# Altium PCB RTM_SFP.PcbDoc (part 9 of 17) (continued)
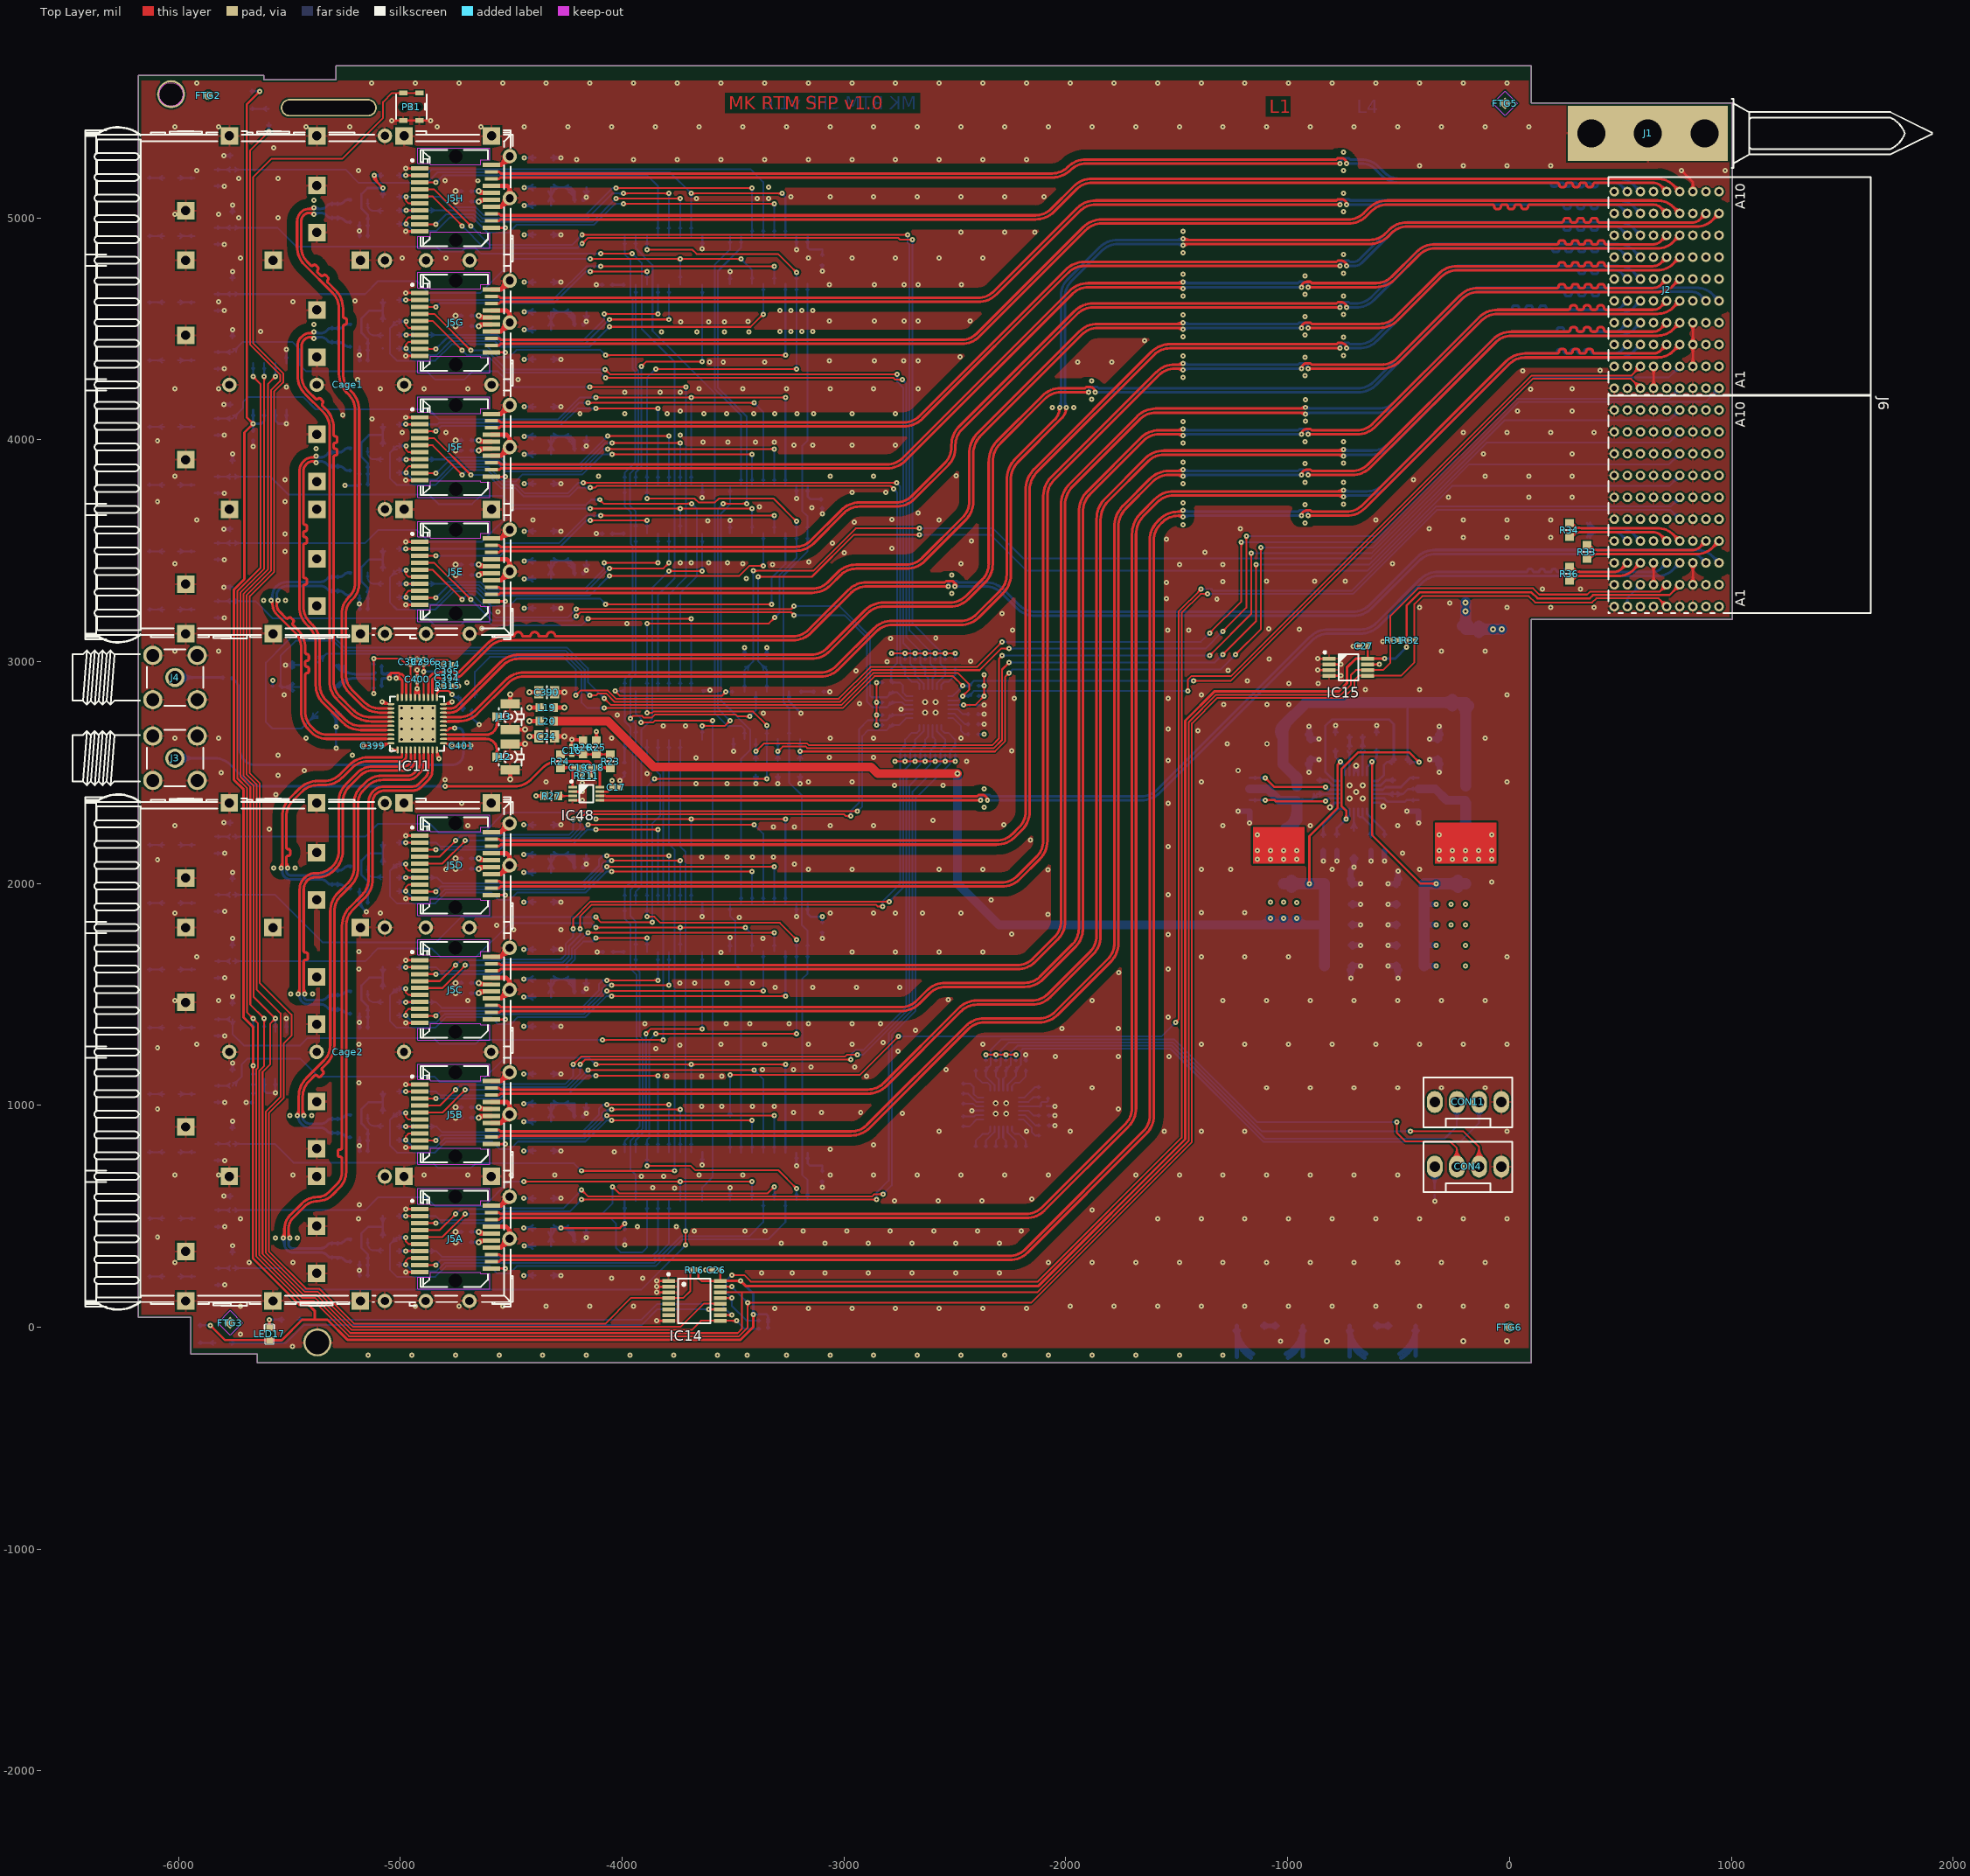
[diagram p0: Top Layer view]
## Nets (pads, with @x,y where several pads share a name; then routed paths per layer and width w, separated by ;. In a path a pad name is that pad's centre, name@x,y a point inside that pad or via, vN(x,y) a via of type N, cw(c..) or ccw(c..) an arc to the next point about the centre after c; other vN are vias at no path point) (continued)
  Bottom Layer w10: C202A.2@-5153.13,233.05 ccw(c-5168.28,248.2) -5146.85,248.2 ; C202B.2@-5153.13,794.07 ccw(c-5168.28,809.22) -5146.85,809.22 ; C202C.2@-5153.13,1351.16 ccw(c-5168.28,1366.31) -5146.85,1366.31 ; C202D.2@-5153.13,1914.15 ccw(c-5168.28,1929.3) -5146.85,1929.3 ; C202E.2@-5153.13,3236.98 ccw(c-5168.28,3252.14) -5146.85,3252.14 ; C202F.2@-5153.13,3798.4 ccw(c-5168.28,3813.55) -5146.85,3813.55 ; C202G.2@-5153.13,4357.46 ccw(c-5168.28,4372.61) -5146.85,4372.61 ; C202H.2@-5153.13,4918.09 ccw(c-5168.28,4933.24) -5146.85,4933.24 ; IC20A.1@-5151.67,280.57 cw(c-5163.29,268.94) -5146.85,268.94 cw(c-5130.41,268.94) IC20A.1@-5142.03,280.57 ; IC20A.1@-5151.67,309.89 ccw(c-5163.29,321.51) -5146.85,321.51 ccw(c-5130.41,321.51) IC20A.1@-5142.03,309.89 ; IC20B.1@-5151.67,841.64 cw(c-5163.29,830.01) -5146.85,830.01 cw(c-5130.41,830.01) IC20B.1@-5142.03,841.64 ; IC20B.1@-5151.67,870.96 ccw(c-5163.29,882.59) -5146.85,882.59 ccw(c-5130.41,882.59) IC20B.1@-5142.03,870.96 ; IC20C.1@-5151.67,1398.73 cw(c-5163.29,1387.1) -5146.85,1387.1 cw(c-5130.41,1387.1) IC20C.1@-5142.03,1398.73 ; IC20C.1@-5151.67,1428.04 ccw(c-5163.29,1439.67) -5146.85,1439.67 ccw(c-5130.41,1439.67) IC20C.1@-5142.03,1428.04 ; IC20D.1@-5151.67,1961.72 cw(c-5163.29,1950.09) -5146.85,1950.09 cw(c-5130.41,1950.09) IC20D.1@-5142.03,1961.72 ; IC20D.1@-5151.67,1991.04 ccw(c-5163.29,2002.66) -5146.85,2002.66 ccw(c-5130.41,2002.66) IC20D.1@-5142.03,1991.04 ; IC20E.1@-5151.67,3284.55 cw(c-5163.29,3272.93) -5146.85,3272.93 cw(c-5130.41,3272.93) IC20E.1@-5142.03,3284.55 ; IC20E.1@-5151.67,3313.87 ccw(c-5163.29,3325.5) -5146.85,3325.5 ccw(c-5130.41,3325.5) IC20E.1@-5142.03,3313.87 ; IC20F.1@-5151.67,3845.97 cw(c-5163.29,3834.34) -5146.85,3834.34 cw(c-5130.41,3834.34) IC20F.1@-5142.03,3845.97 ; IC20F.1@-5151.67,3875.29 ccw(c-5163.29,3886.92) -5146.85,3886.92 ccw(c-5130.41,3886.92) IC20F.1@-5142.03,3875.29 ; IC20G.1@-5151.67,4405.03 cw(c-5163.29,4393.4) -5146.85,4393.4 cw(c-5130.41,4393.4) IC20G.1@-5142.03,4405.03 ; IC20G.1@-5151.67,4434.34 ccw(c-5163.29,4445.97) -5146.85,4445.97 ccw(c-5130.41,4445.97) IC20G.1@-5142.03,4434.34 ; IC20H.1@-5151.67,4965.66 cw(c-5163.29,4954.03) -5146.85,4954.03 cw(c-5130.41,4954.03) IC20H.1@-5142.03,4965.66 ; IC20H.1@-5151.67,4994.97 ccw(c-5163.29,5006.6) -5146.85,5006.6 ccw(c-5130.41,5006.6) IC20H.1@-5142.03,4994.97 ; C202D.2@-5148.03,1909.06 -5146.85,1909.06 IC20D.1@-5146.85,1976.38 -5146.85,2009.84 -5175.2,2038.19 -5175.2,2103.35 -5142.53,2136.02 -5079.3,2136.02 ; C202A.2@-5146.85,227.9 IC20A.1@-5146.85,295.23 -5146.85,328.94 -5176.18,358.27 -5176.18,421.26 -5144.5,452.94 -5079.3,452.94 ; -5146.85,242.49 ccw(c-5133.49,242.49) C202A.2@-5142.94,233.05 ; C202B.2@-5146.85,788.98 IC20B.1@-5146.85,856.3 -5146.85,889.76 -5175.2,918.11 -5175.2,983.27 -5144.5,1013.97 -5079.3,1013.97 ; -5146.85,803.52 ccw(c-5133.49,803.52) C202B.2@-5142.94,794.07 ; C202C.2@-5146.85,1346.06 IC20C.1@-5146.85,1413.39 -5146.85,1446.85 -5175.2,1475.2 -5175.2,1540.35 -5140.56,1574.99 -5079.3,1574.99 ; -5146.85,1360.61 ccw(c-5133.49,1360.61) C202C.2@-5142.94,1351.16 ; -5146.85,1923.6 ccw(c-5133.49,1923.6) C202D.2@-5142.94,1914.15 ; C202E.2@-5146.85,3231.89 IC20E.1@-5146.85,3299.21 -5146.85,3332.68 -5175.2,3361.02 -5175.2,3426.18 -5141.34,3460.04 -5078.74,3460.04 ; -5146.85,3246.43 ccw(c-5133.49,3246.43) C202E.2@-5142.94,3236.98 ; C202F.2@-5146.85,3793.31 IC20F.1@-5146.85,3860.63 -5146.85,3894.09 -5175.2,3922.44 -5175.2,3987.6 -5141.73,4021.06 -5078.74,4021.06 ; -5146.85,3807.85 ccw(c-5133.49,3807.85) C202F.2@-5142.94,3798.4 ; C202G.2@-5146.85,4352.36 IC20G.1@-5146.85,4419.69 -5146.85,4453.15 -5175.2,4481.5 -5175.2,4546.65 -5139.76,4582.09 -5078.74,4582.09 ; -5146.85,4366.9 ccw(c-5133.49,4366.9) C202G.2@-5142.94,4357.46 ; C202H.2@-5146.85,4912.99 IC20H.1@-5146.85,4980.32 -5146.85,5013.78 -5175.2,5042.13 -5175.2,5107.28 -5148.03,5134.45 v1(-5078.74,5134.45) R403H.2@-5078.74,5094.49 ; -5146.85,4927.53 ccw(c-5133.49,4927.53) C202H.2@-5142.94,4918.09 ; v1(-5118.7,5190.94) R400H.2@-5078.74,5190.94 ; v1@-5114.99,5185.23 cw(c-5103.54,5167.6) -5098.1,5187.91 ; v1@-5114.99,5196.66 ccw(c-5103.54,5214.29) -5098.1,5193.98 ; R403A.2@-5087.73,415.28 ccw(c-5108.09,435.64) -5079.3,435.64 ; R400A.2@-5087.73,489.82 cw(c-5108.09,469.46) -5079.3,469.46 ; R403B.2@-5087.73,976.31 ccw(c-5108.09,996.66) -5079.3,996.66 ; R400B.2@-5087.73,1050.84 cw(c-5108.09,1030.48) -5079.3,1030.48 ; R403C.2@-5087.73,1537.33 ccw(c-5108.09,1557.69) -5079.3,1557.69 ; R400C.2@-5087.73,1611.87 cw(c-5108.09,1591.51) -5079.3,1591.51 ; R403D.2@-5087.73,2098.35 ccw(c-5108.09,2118.71) -5079.3,2118.71 ; R400D.2@-5087.73,2173.14 cw(c-5108.09,2152.78) -5079.3,2152.78 ; R403E.2@-5087.73,3422.38 ccw(c-5109.44,3444.09) -5078.74,3444.09 ccw(c-5048.04,3444.09) R403E.2@-5069.75,3422.38 ; R400E.2@-5087.73,3496.91 cw(c-5109.44,3475.21) -5078.74,3475.21 cw(c-5048.04,3475.21) R400E.2@-5069.75,3496.91 ; R403F.2@-5087.73,3983.4 ccw(c-5109.44,4005.11) -5078.74,4005.11 ccw(c-5048.04,4005.11) R403F.2@-5069.75,3983.4 ; R400F.2@-5087.73,4057.94 cw(c-5109.44,4036.23) -5078.74,4036.23 cw(c-5048.04,4036.23) R400F.2@-5069.75,4057.94 ; R403G.2@-5087.73,4544.42 ccw(c-5109.44,4566.13) -5078.74,4566.13 ccw(c-5048.04,4566.13) R403G.2@-5069.75,4544.42 ; R400G.2@-5087.73,4618.96 cw(c-5109.44,4597.25) -5078.74,4597.25 cw(c-5048.04,4597.25) R400G.2@-5069.75,4618.96 ; R403H.2@-5087.73,5105.45 ccw(c-5109.44,5127.16) -5078.74,5127.16 ccw(c-5048.04,5127.16) R403H.2@-5069.75,5105.45 ; R400H.2@-5087.73,5181.95 ccw(c-5109.44,5160.24) -5109.44,5190.94 ccw(c-5109.44,5221.65) R400H.2@-5087.73,5199.94 ; v1@-5084.47,5130.76 cw(c-5101.1,5120.08) -5082.01,5114.96 ; v1@-5082.15,5128.55 cw(c-5087.15,5119.89) -5077.49,5122.48 ; -5079.99,5122.48 cw(c-5070.33,5119.89) v1@-5075.33,5128.55 ; R403A.2@-5079.3,404.32 -5079.3,452.94 ; -5079.3,438.34 ccw(c-5046.69,438.34) R403A.2@-5069.75,415.28 ; -5079.3,466.76 cw(c-5046.69,466.76) R400A.2@-5069.75,489.82 ; R400A.2@-5079.3,500.78 -5079.3,452.94 ; R403B.2@-5079.3,965.35 -5079.3,1013.97 ; -5079.3,999.36 ccw(c-5046.69,999.36) R403B.2@-5069.75,976.31 ; -5079.3,1027.78 cw(c-5046.69,1027.78) R400B.2@-5069.75,1050.84 ; R400B.2@-5079.3,1061.8 -5079.3,1013.97 ; R403C.2@-5079.3,1526.37 -5079.3,1574.99 ; -5079.3,1560.39 ccw(c-5046.69,1560.39) R403C.2@-5069.75,1537.33 ; -5079.3,1588.81 cw(c-5046.69,1588.81) R400C.2@-5069.75,1611.87 ; R400C.2@-5079.3,1622.83 -5079.3,1574.99 ; R403D.2@-5079.3,2087.39 -5079.3,2136.02 ; -5079.3,2121.41 ccw(c-5046.69,2121.41) R403D.2@-5069.75,2098.35 ; -5079.3,2150.08 cw(c-5046.69,2150.08) R400D.2@-5069.75,2173.14 ; R400D.2@-5079.3,2183.85 -5079.3,2136.02 ; R403E.2@-5078.74,3411.42 -5078.74,3460.04 ; R400E.2@-5078.74,3507.87 -5078.74,3460.04 ; R403F.2@-5078.74,3972.44 -5078.74,4021.06 ; R400F.2@-5078.74,4068.9 -5078.74,4021.06 ; R404G.2@-5078.74,4411.22 R404G.2@-5078.74,4411.62 ; R403G.2@-5078.74,4533.46 -5078.74,4582.09 ; R400G.2@-5078.74,4629.92 -5078.74,4582.09 ; -5075.47,5114.96 cw(c-5056.38,5120.08) v1@-5073.01,5130.76 ; L11A.1@-4333.34,384.51 ccw(c-4363.45,414.62) -4320.87,414.62 ccw(c-4278.28,414.62) L11A.1@-4308.39,384.51 ; L5A.1@-4333.34,428.46 cw(c-4363.45,398.36) -4320.87,398.36 cw(c-4278.28,398.36) L5A.1@-4308.39,428.46 ; L11B.1@-4333.34,945.53 ccw(c-4363.45,975.64) -4320.87,975.64 ccw(c-4278.28,975.64) L11B.1@-4308.39,945.53 ; L5B.1@-4333.34,989.49 cw(c-4363.45,959.38) -4320.87,959.38 cw(c-4278.28,959.38) L5B.1@-4308.39,989.49 ; L11C.1@-4333.34,1506.56 ccw(c-4363.45,1536.67) -4320.87,1536.67 ccw(c-4278.28,1536.67) L11C.1@-4308.39,1506.56 ; L5C.1@-4333.34,1550.51 cw(c-4363.45,1520.4) -4320.87,1520.4 cw(c-4278.28,1520.4) L5C.1@-4308.39,1550.51 ; L11D.1@-4333.34,2067.58 ccw(c-4363.45,2097.69) -4320.87,2097.69 ccw(c-4278.28,2097.69) L11D.1@-4308.39,2067.58 ; L5D.1@-4333.34,2111.54 cw(c-4363.45,2081.43) -4320.87,2081.43 cw(c-4278.28,2081.43) L5D.1@-4308.39,2111.54 ; L11E.1@-4333.34,3391.61 ccw(c-4363.45,3421.72) -4320.87,3421.72 ccw(c-4278.28,3421.72) L11E.1@-4308.39,3391.61 ; L5E.1@-4333.34,3435.56 cw(c-4363.45,3405.45) -4320.87,3405.45 cw(c-4278.28,3405.45) L5E.1@-4308.39,3435.56 ; L11F.1@-4333.34,3952.63 ccw(c-4363.45,3982.74) -4320.87,3982.74 ccw(c-4278.28,3982.74) L11F.1@-4308.39,3952.63 ; L5F.1@-4333.34,3996.58 cw(c-4363.45,3966.47) -4320.87,3966.47 cw(c-4278.28,3966.47) L5F.1@-4308.39,3996.58 ; L11G.1@-4333.34,4513.65 ccw(c-4363.45,4543.76) -4320.87,4543.76 ccw(c-4278.28,4543.76) L11G.1@-4308.39,4513.65 ; L5G.1@-4333.34,4557.61 cw(c-4363.45,4527.5) -4320.87,4527.5 cw(c-4278.28,4527.5) L5G.1@-4308.39,4557.61 ; L11H.1@-4333.34,5074.68 ccw(c-4363.45,5104.79) -4320.87,5104.79 ccw(c-4278.28,5104.79) L11H.1@-4308.39,5074.68 ; L5H.1@-4333.34,5118.63 cw(c-4363.45,5088.52) -4320.87,5088.52 cw(c-4278.28,5088.52) L5H.1@-4308.39,5118.63 ; L5A.1@-4321.43,446.84 L5A.1@-4320.87,446.84 ; L5B.1@-4321.43,1007.87 L5B.1@-4320.87,1007.87 ; L5C.1@-4321.43,1568.89 L5C.1@-4320.87,1568.89 -4215.13,1568.89 C186C.1@-4215.13,1507.87 ; L5D.1@-4321.43,2129.91 L5D.1@-4320.87,2129.91 ; L11A.1@-4320.87,366.13 L5A.1@-4320.87,446.84 ; L11B.1@-4320.87,927.16 L5B.1@-4320.87,1007.87 ; L11C.1@-4320.87,1488.18 L5C.1@-4320.87,1568.33 ; L11D.1@-4320.87,2049.21 L5D.1@-4320.87,2129.91 ; L11E.1@-4320.87,3373.23 L5E.1@-4320.87,3453.94 C13E.1@-4232.28,3453.94 -4214.57,3436.22 C186E.1@-4214.57,3392.91 ; L11F.1@-4320.87,3934.25 L5F.1@-4320.87,4014.96 C13F.1@-4232.28,4014.96 -4214.57,3997.24 C186F.1@-4214.57,3953.94 ; L11G.1@-4320.87,4495.28 L5G.1@-4320.87,4575.98 C13G.1@-4232.28,4575.98 -4214.57,4558.27 C186G.1@-4214.57,4514.96 ; L11H.1@-4320.87,5056.3 L5H.1@-4320.87,5137.01 C13H.1@-4232.28,5137.01 -4214.57,5119.29 C186H.1@-4214.57,5075.98 ; L5A.1@-4308.39,434.37 cw(c-4278.28,404.26) -4278.28,446.84 cw(c-4278.28,489.42) L5A.1@-4308.39,459.31 ; L5B.1@-4308.39,995.39 cw(c-4278.28,965.28) -4278.28,1007.87 cw(c-4278.28,1050.45) L5B.1@-4308.39,1020.34 ; L5C.1@-4308.39,1556.42 cw(c-4278.28,1526.31) -4278.28,1568.89 cw(c-4278.28,1611.47) L5C.1@-4308.39,1581.36 ; L5D.1@-4308.39,2117.44 cw(c-4278.28,2087.33) -4278.28,2129.91 cw(c-4278.28,2172.5) L5D.1@-4308.39,2142.39 ; L5E.1@-4308.39,3441.47 cw(c-4278.28,3411.36) -4278.28,3453.94 cw(c-4278.28,3496.52) L5E.1@-4308.39,3466.41 ; L5F.1@-4308.39,4002.49 cw(c-4278.28,3972.38) -4278.28,4014.96 cw(c-4278.28,4057.54) L5F.1@-4308.39,4027.43 ; L5G.1@-4308.39,4563.51 cw(c-4278.28,4533.4) -4278.28,4575.98 cw(c-4278.28,4618.57) L5G.1@-4308.39,4588.46 ; L5H.1@-4308.39,5124.54 cw(c-4278.28,5094.43) -4278.28,5137.01 cw(c-4278.28,5179.59) L5H.1@-4308.39,5149.48 ; -4293.66,442.72 cw(c-4289.05,425.52) v1@-4280.15,440.94 ; -4293.66,450.96 ccw(c-4289.05,468.16) v1@-4280.15,452.74 ; -4291.8,443.22 ccw(c-4295.7,457.79) v1@-4282.64,450.25 ; -4291.8,450.46 cw(c-4295.7,435.9) v1@-4282.64,443.44 ; v1@-4273.34,440.94 cw(c-4262.18,421.63) -4256.41,443.17 ; v1@-4273.34,452.74 ccw(c-4262.18,472.05) -4256.41,450.51 ; v1@-4270.84,443.44 cw(c-4261.67,438.14) -4264.41,448.37 ; v1@-4270.84,450.25 ccw(c-4261.67,455.54) -4264.41,445.32 ; C13A.1@-4243.36,435.76 ccw(c-4270.11,409.01) -4270.11,446.84 ccw(c-4270.11,484.67) C13A.1@-4243.36,457.92 ; C13B.1@-4243.36,996.79 ccw(c-4270.11,970.04) -4270.11,1007.87 ccw(c-4270.11,1045.7) C13B.1@-4243.36,1018.95 ; C13C.1@-4243.36,1557.81 ccw(c-4270.11,1531.06) -4270.11,1568.89 ccw(c-4270.11,1606.72) C13C.1@-4243.36,1579.97 ; C13D.1@-4243.36,2118.83 ccw(c-4270.11,2092.08) -4270.11,2129.91 ccw(c-4270.11,2167.74) C13D.1@-4243.36,2140.99 ; C13E.1@-4243.36,3442.86 ccw(c-4270.11,3416.11) -4270.11,3453.94 ccw(c-4270.11,3491.77) C13E.1@-4243.36,3465.02 ; C13F.1@-4243.36,4003.88 ccw(c-4270.11,3977.13) -4270.11,4014.96 ccw(c-4270.11,4052.79) C13F.1@-4243.36,4026.04 ; C13G.1@-4243.36,4564.91 ccw(c-4270.11,4538.16) -4270.11,4575.98 ccw(c-4270.11,4613.81) C13G.1@-4243.36,4587.06 ; C13H.1@-4243.36,5125.93 ccw(c-4270.11,5099.18) -4270.11,5137.01 ccw(c-4270.11,5174.84) C13H.1@-4243.36,5148.09 ; C13B.1@-4240.1,987.4 cw(c-4264.99,944.19) C186B.1@-4215.13,944.19 ; C13C.1@-4240.1,1548.42 cw(c-4264.99,1505.21) C186C.1@-4215.13,1505.21 ; C13D.1@-4240.1,2109.45 cw(c-4264.99,2066.24) C186D.1@-4215.13,2066.24 ; C13A.1@-4240.08,426.36 cw(c-4265.03,382.82) C186A.1@-4214.85,382.82 ; C13E.1@-4239.94,3433.38 cw(c-4264.18,3390.09) C186E.1@-4214.57,3390.09 ; C13F.1@-4239.94,3994.4 cw(c-4264.18,3951.11) C186F.1@-4214.57,3951.11 ; C13G.1@-4239.94,4555.42 cw(c-4264.18,4512.14) C186G.1@-4214.57,4512.14 ; C13H.1@-4239.94,5116.45 cw(c-4264.18,5073.16) C186H.1@-4214.57,5073.16 ; C13A.1@-4235.1,435.03 cw(c-4255.14,400.08) -4214.85,400.08 ; C13B.1@-4235.11,996.06 cw(c-4255.02,961.49) -4215.13,961.49 ; C13C.1@-4235.11,1557.09 cw(c-4255.02,1522.51) -4215.13,1522.51 ; C13D.1@-4235.11,2118.11 cw(c-4255.02,2083.54) -4215.13,2083.54 ; C13E.1@-4235.05,3442.1 cw(c-4254.62,3407.15) -4214.57,3407.15 ; C13F.1@-4235.05,4003.12 cw(c-4254.62,3968.17) -4214.57,3968.17 ; C13G.1@-4235.05,4564.15 cw(c-4254.62,4529.2) -4214.57,4529.2 ; C13H.1@-4235.05,5125.17 cw(c-4254.62,5090.22) -4214.57,5090.22 ; C13E.1@-4230.17,3450.83 cw(c-4245.07,3424.21) -4214.57,3424.21 ; C13F.1@-4230.17,4011.85 cw(c-4245.07,3985.23) -4214.57,3985.23 ; C13G.1@-4230.17,4572.87 cw(c-4245.07,4546.26) -4214.57,4546.26 ; C13H.1@-4230.17,5133.9 cw(c-4245.07,5107.28) -4214.57,5107.28 ; C13A.1@-4230.13,443.71 cw(c-4245.25,417.34) -4214.85,417.34 ; C13B.1@-4230.12,1004.73 cw(c-4245.06,978.79) -4215.13,978.79 ; C13C.1@-4230.12,1565.75 cw(c-4245.06,1539.81) -4215.13,1539.81 ; C13D.1@-4230.12,2126.78 cw(c-4245.06,2100.84) -4215.13,2100.84 ; C186A.1@-4221.2,389.04 ccw(c-4234.58,396.76) -4219.66,400.76 ; -4220.86,965.59 ccw(c-4200.34,971.09) C186B.1@-4210.96,952.7 ; -4220.86,1526.62 ccw(c-4200.34,1532.11) C186C.1@-4210.96,1513.72 ; -4220.86,2087.64 ccw(c-4200.34,2093.14) C186D.1@-4210.96,2074.74 ; C186B.1@-4220.81,950.06 ccw(c-4232.54,956.83) -4219.45,960.34 ; C186C.1@-4220.81,1511.08 ccw(c-4232.54,1517.86) -4219.45,1521.36 ; C186D.1@-4220.81,2072.11 ccw(c-4232.54,2078.88) -4219.45,2082.39 ; C186E.1@-4220.81,3396.52 ccw(c-4233.71,3403.97) -4219.32,3407.82 ; C186F.1@-4220.81,3957.15 ccw(c-4234.01,3964.77) -4219.28,3968.72 ; C186G.1@-4220.81,4518.17 ccw(c-4234.01,4525.79) -4219.28,4529.74 ; C186H.1@-4220.81,5079.59 ccw(c-4233.71,5087.04) -4219.32,5090.89 ; -4220.37,403.42 ccw(c-4201.69,408.42) C186A.1@-4211.36,391.67 ; -4220.23,3411.23 ccw(c-4201.02,3416.38) C186E.1@-4210.96,3399.15 ; -4220.23,5094.3 ccw(c-4201.02,5099.45) C186H.1@-4210.96,5082.22 ; C186A.1@-4220.05,390.53 ccw(c-4232.62,403.09) -4214.85,403.09 ; -4220.07,3971.65 ccw(c-4201.19,3976.71) C186F.1@-4210.96,3959.78 ; -4220.07,4532.67 ccw(c-4201.19,4537.73) C186G.1@-4210.96,4520.81 ; C186B.1@-4219.66,951.55 ccw(c-4230.61,962.5) -4215.13,962.5 ; C186C.1@-4219.66,1512.57 ccw(c-4230.61,1523.52) -4215.13,1523.52 ; C186D.1@-4219.66,2073.6 ccw(c-4230.61,2084.55) -4215.13,2084.55 ; C186E.1@-4219.66,3398.01 ccw(c-4231.96,3410.31) -4214.57,3410.31 ccw(c-4197.17,3410.31) C186E.1@-4209.47,3398.01 ; C186F.1@-4219.66,3958.64 ccw(c-4231.96,3970.94) -4214.57,3970.94 ccw(c-4197.17,3970.94) C186F.1@-4209.47,3958.64 ; C186G.1@-4219.66,4519.66 ccw(c-4231.96,4531.96) -4214.57,4531.96 ccw(c-4197.17,4531.96) C186G.1@-4209.47,4519.66 ; C186H.1@-4219.66,5081.08 ccw(c-4231.96,5093.38) -4214.57,5093.38 ccw(c-4197.17,5093.38) C186H.1@-4209.47,5081.08 ; C186B.1@-4215.13,946.84 -4215.13,1007.87 L5B.1@-4320.87,1007.87 ; -4215.13,965.2 ccw(c-4195.82,965.2) C186B.1@-4209.47,951.55 ; -4215.13,1526.22 ccw(c-4195.82,1526.22) C186C.1@-4209.47,1512.57 ; C186D.1@-4215.13,2068.89 -4215.13,2129.91 L5D.1@-4320.87,2129.91 ; -4215.13,2087.25 ccw(c-4195.82,2087.25) C186D.1@-4209.47,2073.6 ; C186A.1@-4214.85,385.54 -4214.85,420.56 -4232.84,438.55 -4232.84,446.84 v1(-4276.74,446.84) L5A.1@-4320.87,446.84 ; -4214.85,402.56 ccw(c-4197.83,402.56) C186A.1@-4209.87,390.53 ; C7.1@-4049.61,3576.47 IC4.16@-3988.78,3576.47 ; C6.1@-4049.61,4698.52 IC3.16@-3988.78,4698.52 ; C22.1@-4046.06,1691.43 IC6.16@-3988.78,1691.43 ; C7.1@-4044.51,3571.38 cw(c-4032.21,3559.08) -4032.21,3576.47 cw(c-4032.21,3593.87) C7.1@-4044.51,3581.57 ; C6.1@-4044.51,4693.33 cw(c-4031.98,4680.8) -4031.98,4698.52 ; C6.1@-4044.51,4703.52 ccw(c-4032.44,4715.59) -4032.44,4698.52 ; C22.1@-4040.97,1686.33 cw(c-4028.67,1674.03) -4028.67,1691.43 cw(c-4028.67,1708.82) C22.1@-4040.97,1696.52 ; C1.1@-3995.25,2544.46 ccw(c-4010.88,2560.09) -3988.78,2560.09 ; C2.1@-3993.87,441.71 ccw(c-4005.7,453.53) -3988.98,453.53 ; IC8.16@-3993.73,536.43 cw(c-4005.68,524.48) -3988.78,524.48 cw(c-3971.88,524.48) IC8.16@-3983.83,536.43 ; IC6.16@-3993.73,1686.48 ccw(c-4005.68,1674.53) -4005.68,1691.43 ccw(c-4005.68,1708.33) IC6.16@-3993.73,1696.38 ; IC10.16@-3993.73,2614.18 cw(c-4005.68,2602.23) -3988.78,2602.23 cw(c-3971.88,2602.23) IC10.16@-3983.83,2614.18 ; IC4.16@-3993.73,3571.52 ccw(c-4005.68,3559.57) -4005.68,3576.47 ccw(c-4005.68,3593.37) IC4.16@-3993.73,3581.42 ; IC3.16@-3993.73,4693.57 ccw(c-4005.68,4681.62) -4005.68,4698.52 ccw(c-4005.68,4715.42) IC3.16@-3993.73,4703.47 ; C2.1@-3988.98,436.81 v1(-3988.98,467.32) -3988.78,467.52 IC8.16@-3988.78,569.38 ; -3988.98,454.48 ccw(c-3970.91,454.48) C2.1@-3983.69,441.71 ; C1.1@-3988.78,2540.75 IC10.16@-3988.78,2647.13 ; -3988.78,2553.44 ccw(c-3976.09,2553.44) C1.1@-3985.06,2544.46 ; IC1.14@-3198.03,2864.17 C23.1@-3131.5,2864.17 ; IC1.14@-3193.22,2859.36 cw(c-3181.59,2847.73) -3181.59,2864.17 cw(c-3181.59,2880.62) IC1.14@-3193.22,2868.99 ; IC9.16@-3168.99,762.16 cw(c-3180.62,750.53) -3164.17,750.53 cw(c-3147.73,750.53) IC9.16@-3159.36,762.16 ; IC7.16@-3168.99,1884.21 cw(c-3180.62,1872.58) -3164.17,1872.58 cw(c-3147.73,1872.58) IC7.16@-3159.36,1884.21 ; IC5.16@-3168.99,3769.26 cw(c-3180.62,3757.63) -3164.17,3757.63 cw(c-3147.73,3757.63) IC5.16@-3159.36,3769.26 ; IC2.16@-3168.99,4891.3 cw(c-3180.62,4879.68) -3164.17,4879.68 cw(c-3147.73,4879.68) IC2.16@-3159.36,4891.3 ; IC9.16@-3164.17,785.68 -3164.17,738.58 -3153.79,728.2 -3098.43,728.2 ; IC7.16@-3164.17,1907.72 -3164.17,1864.17 -3150.24,1850.24 v1(-3098.43,1850.24) ; IC5.16@-3164.17,3792.77 -3164.17,3745.67 -3150.25,3731.75 C20.1@-3098.43,3731.75 ; IC2.16@-3164.17,4914.82 -3164.17,4866.14 -3155.37,4857.34 -3098.43,4857.34 ; C23.1@-3136.59,2859.08 ccw(c-3148.89,2846.78) -3148.89,2864.17 ccw(c-3148.89,2881.57) C23.1@-3136.59,2869.27 ; C20.1@-3103.52,3726.65 ccw(c-3115.82,3714.35) -3115.82,3731.75 ccw(c-3115.82,3749.14) C20.1@-3103.52,3736.84 ; IC16.6@-642.13,2489.37 -642.13,2524.8 -598.82,2568.11 R53.2@-598.82,2607.48 ; R53.2@-607.81,2596.52 cw(c-629.52,2574.81) -598.82,2574.81 cw(c-568.12,2574.81) R53.2@-589.83,2596.52 ; CON4.4@-358.54,688.58 cw(c-410.5,636.62) -337.02,636.62 cw(c-263.55,636.62) CON4.4@-315.5,688.58 ; CON4.4@-351.47,695.65 cw(c-386.35,660.76) -337.02,660.76 cw(c-287.69,660.76) CON4.4@-322.58,695.65 ; C403.2@-337.02,623.62 CON4.4@-337.02,723.87 ; -5102.26,5190.94 cw(c-5102.26,5207.39) -5113.88,5195.76 ccw(c-5102.26,5207.39) -5102.26,5190.94 ; -5102.26,5190.94 ccw(c-5102.26,5174.5) -5113.88,5186.13 cw(c-5102.26,5174.5) -5102.26,5190.94 ; -5095.18,5134.45 cw(c-5095.18,5118) v1@-5083.56,5129.63 ; -5095.18,5134.45 ccw(c-5095.18,5150.89) -5083.56,5139.26 cw(c-5095.18,5150.89) -5095.18,5134.45 ; -5095.18,5134.45 cw(c-5095.18,5118) v1@-5083.56,5129.63 ; v1@-5083.56,5129.63 cw(c-5095.18,5118) -5078.74,5118 ; v1@-5083.56,5129.63 cw(c-5095.18,5118) -5078.74,5118 ; -5078.74,5118 cw(c-5062.3,5118) -5073.92,5129.63 ccw(c-5062.3,5118) -5078.74,5118 ; -4293.18,446.84 cw(c-4293.18,430.4) -4281.56,442.03 ccw(c-4293.18,430.4) -4293.18,446.84 ; -4293.18,446.84 ccw(c-4293.18,463.29) -4281.56,451.66 cw(c-4293.18,463.29) -4293.18,446.84 ; -4260.3,446.84 cw(c-4260.3,463.29) -4271.92,451.66 ccw(c-4260.3,463.29) -4260.3,446.84 ; -4260.3,446.84 ccw(c-4260.3,430.4) -4271.92,442.03 cw(c-4260.3,430.4) -4260.3,446.84 ; -3988.98,450.88 cw(c-3972.53,450.88) -3984.16,462.51 ccw(c-3972.53,450.88) -3988.98,450.88 ; -3988.98,450.88 ccw(c-4005.42,450.88) -3993.79,462.51 cw(c-4005.42,450.88) -3988.98,450.88 ; -3114.87,1850.24 cw(c-3114.87,1833.8) -3103.24,1845.43 ccw(c-3114.87,1833.8) -3114.87,1850.24 ; -3114.87,1850.24 ccw(c-3114.87,1866.69) -3103.24,1855.06 cw(c-3114.87,1866.69) -3114.87,1850.24 ; -630.92,2536.01 cw(c-619.29,2524.38) -619.29,2540.83 ccw(c-619.29,2524.38) -630.92,2536.01 ; -630.92,2536.01 ccw(c-642.55,2547.64) -626.1,2547.64 cw(c-642.55,2547.64) -630.92,2536.01 ; -607.66,2559.26 cw(c-619.29,2570.89) -619.29,2554.45 ccw(c-619.29,2570.89) -607.66,2559.26 ; -607.66,2559.26 ccw(c-596.04,2547.64) -612.48,2547.64 cw(c-596.04,2547.64) -607.66,2559.26 ; v1@-3993.79,472.14 ccw(c-4005.89,484.24) -3988.78,484.24 cw(c-4005.89,484.24) v1@-3993.79,472.14 ; -3988.78,483.29 ccw(c-3973.01,483.29) -3984.16,472.14 cw(c-3973.01,483.29) -3988.78,483.29
  Bottom Layer w25: C15.2@-384.65,1628.74 v1(-331.1,1628.74) ; C213.2@-384.65,1721.26 v1(-331.1,1721.26) ; C210.2@-384.65,1813.78 v1(-331.1,1813.78) ; C208.2@-384.65,1906.3 v1(-331.1,1906.3) ; C15.2@-377.48,1621.57 cw(c-360.17,1604.27) -360.17,1628.74 cw(c-360.17,1653.22) C15.2@-377.48,1635.91 ; C213.2@-377.48,1714.09 cw(c-360.17,1696.79) -360.17,1721.26 cw(c-360.17,1745.74) C213.2@-377.48,1728.43 ; C210.2@-377.48,1806.61 cw(c-360.17,1789.3) -360.17,1813.78 cw(c-360.17,1838.25) C210.2@-377.48,1820.95 ; C208.2@-377.48,1899.13 cw(c-360.17,1881.82) -360.17,1906.3 cw(c-360.17,1930.77) C208.2@-377.48,1913.47
  Bottom Layer w50: C15.2@-384.65,1628.74 C213.2@-384.65,1721.26 C210.2@-384.65,1813.78 C208.2@-384.65,1906.3 C209.2@-384.65,1998.82 v1(-331.1,1998.82) L1.2@-197.64,1998.82 ; L1.2@-233.05,1983.09 ccw(c-271.02,1945.12) -271.02,1998.82 ccw(c-271.02,2052.52) L1.2@-233.05,2014.55
  other v1: -197.64,1628.74 -197.64,1721.26 -264.17,1813.78 -197.64,1813.78 -264.17,1906.3 -197.64,1906.3 -4388.98,2394.09
P3V3_CLEAN: C390.2 C391.2 L19.2 OSC1.6 R311.2 | length 713.5
  Top Layer w19.68: v2(-4418.5,2792.52) L19.2@-4371.26,2792.52 ; v2(-4418.5,2861.42) C390.2@-4375.2,2861.42 ; C390.2@-4382.85,2853.76 ccw(c-4401.34,2835.28) -4401.34,2861.42 ccw(c-4401.34,2887.56) C390.2@-4382.85,2869.07 ; L19.2@-4377.52,2786.26 ccw(c-4392.65,2771.13) -4392.65,2792.52 ccw(c-4392.65,2813.91) L19.2@-4377.52,2798.78
  Bottom Layer w7.99: R311.2@-5581.51,2890.17 ccw(c-5594.85,2903.51) -5575.98,2903.51 ccw(c-5557.12,2903.51) R311.2@-5570.46,2890.17 ; R311.2@-5575.98,2884.65 v1(-5575.98,2915.35) ; -5575.98,2896.49 cw(c-5557.12,2896.49) -5570.46,2909.83 ccw(c-5557.12,2896.49) -5575.98,2896.49 ; -5575.98,2896.49 ccw(c-5594.85,2896.49) -5581.51,2909.83 cw(c-5594.85,2896.49) -5575.98,2896.49
  Bottom Layer w10: OSC1.6@-5309.89,2764.52 cw(c-5358.48,2715.93) -5289.76,2715.93 cw(c-5221.04,2715.93) OSC1.6@-5269.64,2764.52 ; OSC1.6@-5302.82,2771.59 cw(c-5334.34,2740.07) -5289.76,2740.07 cw(c-5245.19,2740.07) OSC1.6@-5276.71,2771.59 ; v1@-5295.59,2710.61 ccw(c-5315.87,2722.85) -5292.88,2728.53 ; C391.2@-5289.76,2674.41 v1(-5289.76,2707.09) OSC1.6@-5289.76,2784.65 ; -5286.65,2728.53 ccw(c-5263.66,2722.85) v1@-5283.93,2710.61 ; -5289.76,2690.64 cw(c-5273.32,2690.64) -5284.95,2702.27 ccw(c-5273.32,2690.64) -5289.76,2690.64 ; -5289.76,2690.64 ccw(c-5306.21,2690.64) -5294.58,2702.27 cw(c-5306.21,2690.64) -5289.76,2690.64 ; -5289.76,2723.53 cw(c-5306.21,2723.53) -5294.58,2711.9 ccw(c-5306.21,2723.53) -5289.76,2723.53 ; -5289.76,2723.53 ccw(c-5273.32,2723.53) -5284.95,2711.9 cw(c-5273.32,2723.53) -5289.76,2723.53